# Altium PCB Clocker.PCBDOC (part 1 of 2)
Units mm, origin at the board's own origin, x right, y up, seen from the top; angles counter-clockwise.
Board outline 81.34 x 100 mm, 4 copper layers (Top, MP(G), L3, Bot), stack 1.624 mm thick; 210 components, 110 nets, 627 pads, 308 vias.
Unrouted connection lines stored in the file: 5.
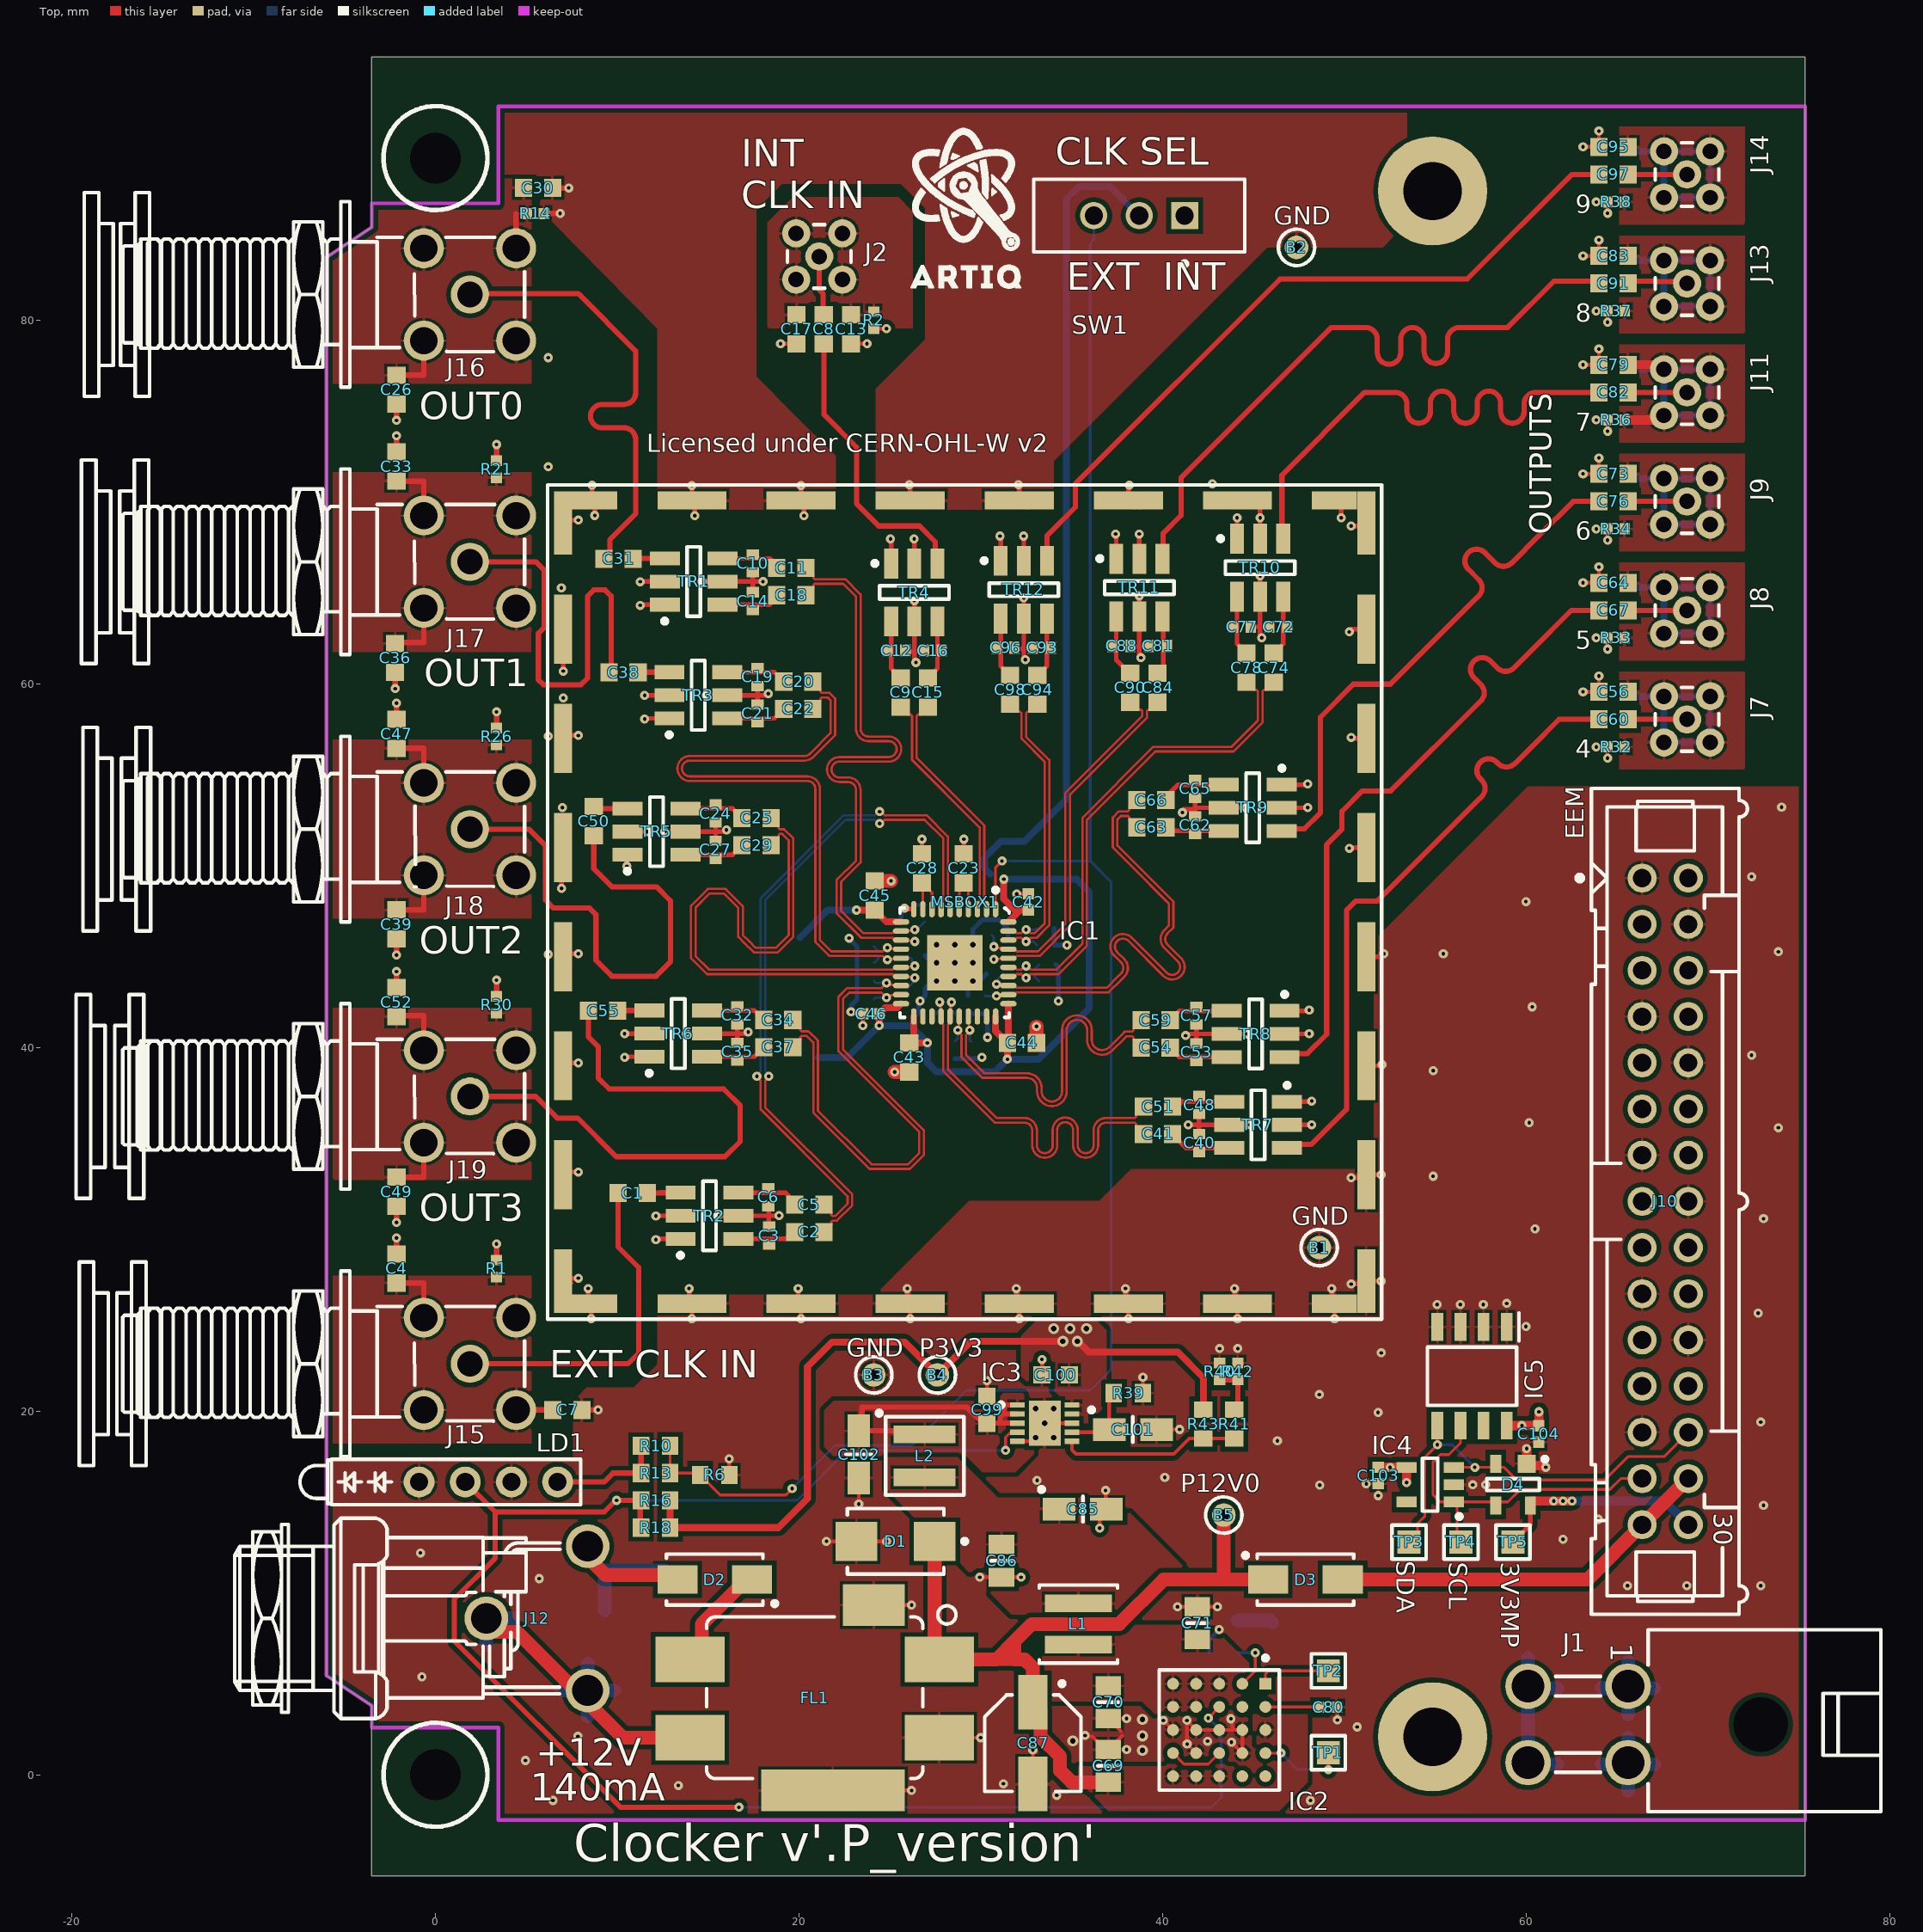
[diagram p0: Top view]
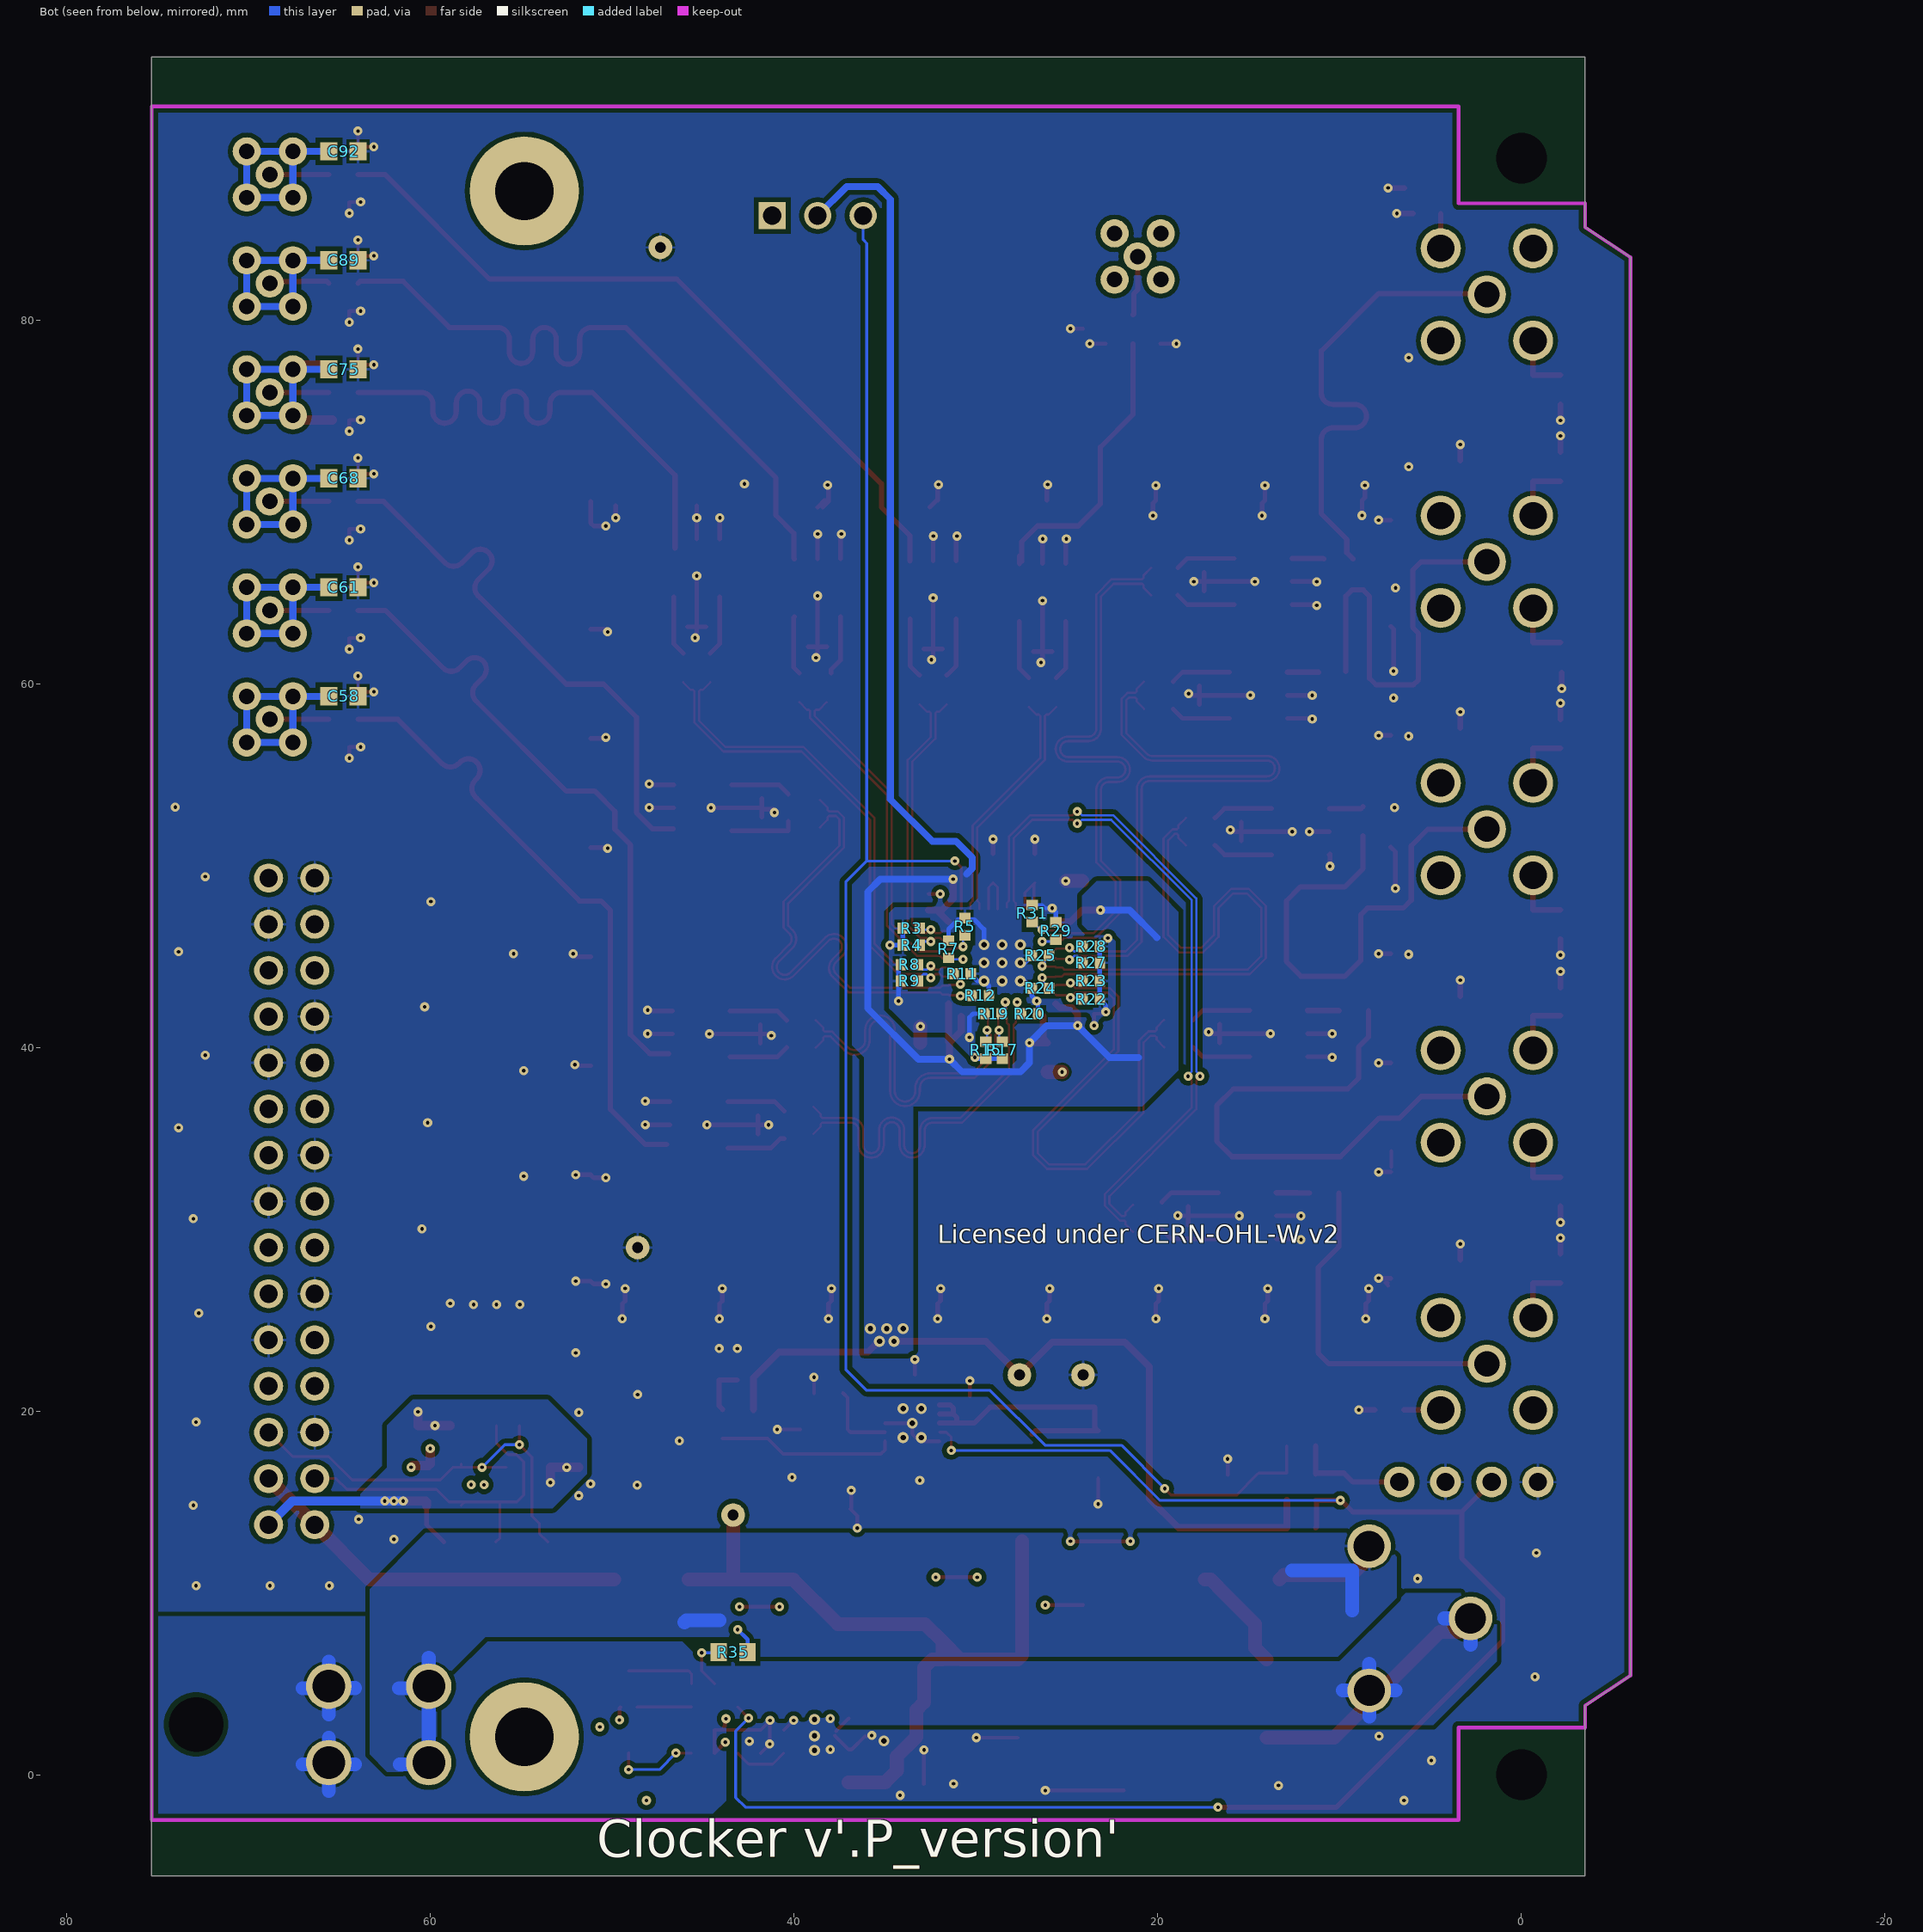
[diagram p1: Bot view, seen from below]
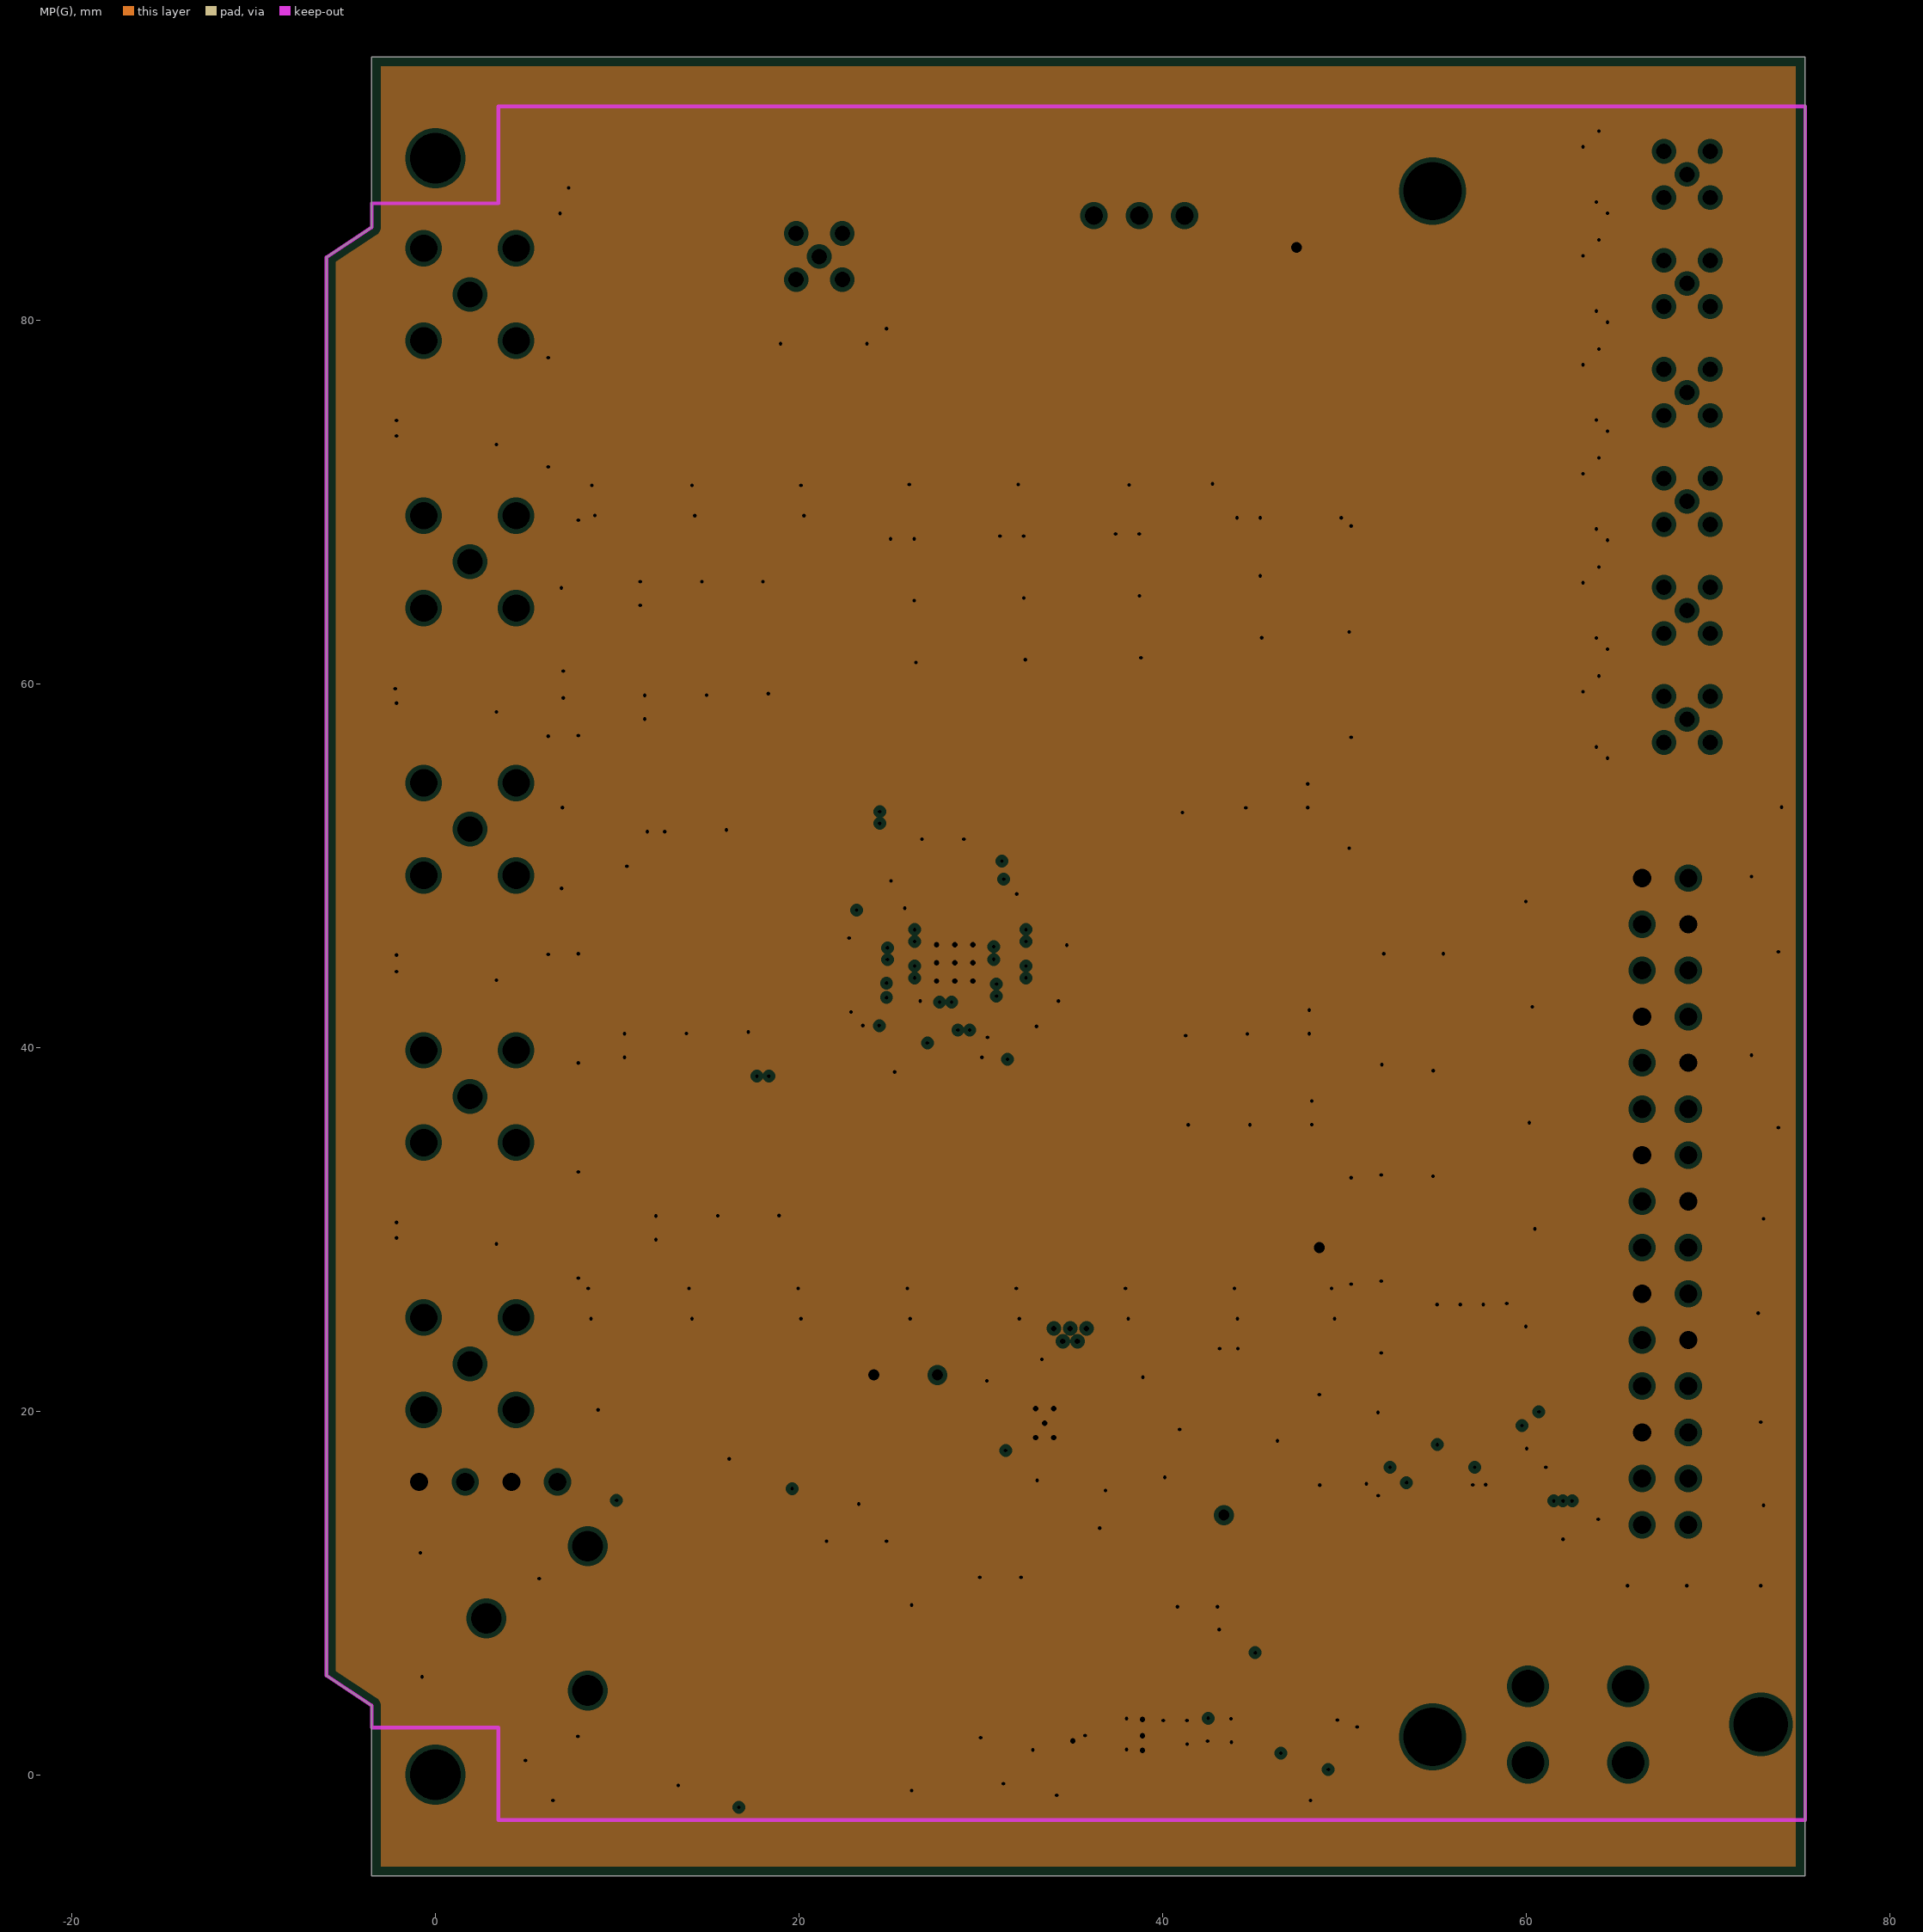
[diagram p2: MP(G), clearances drawn from the general rule]